# Altium PCB Dashcam_V2.0E.PcbDoc (part 2 of 8)
Units mil, origin at the board's own origin, x right, y up, seen from the top; angles counter-clockwise.
Board outline 3544.65 x 2560.37 mil, 8 copper layers (TOP, L2_GND, L3_IN1, L4_IN2, L5_PWR2, L6_PWR1, L7_GND_2, BOTTOM), stack 48.184 mil thick; 411 components, 365 nets, 2257 pads, 1045 vias.
Unrouted connection lines stored in the file: 2.
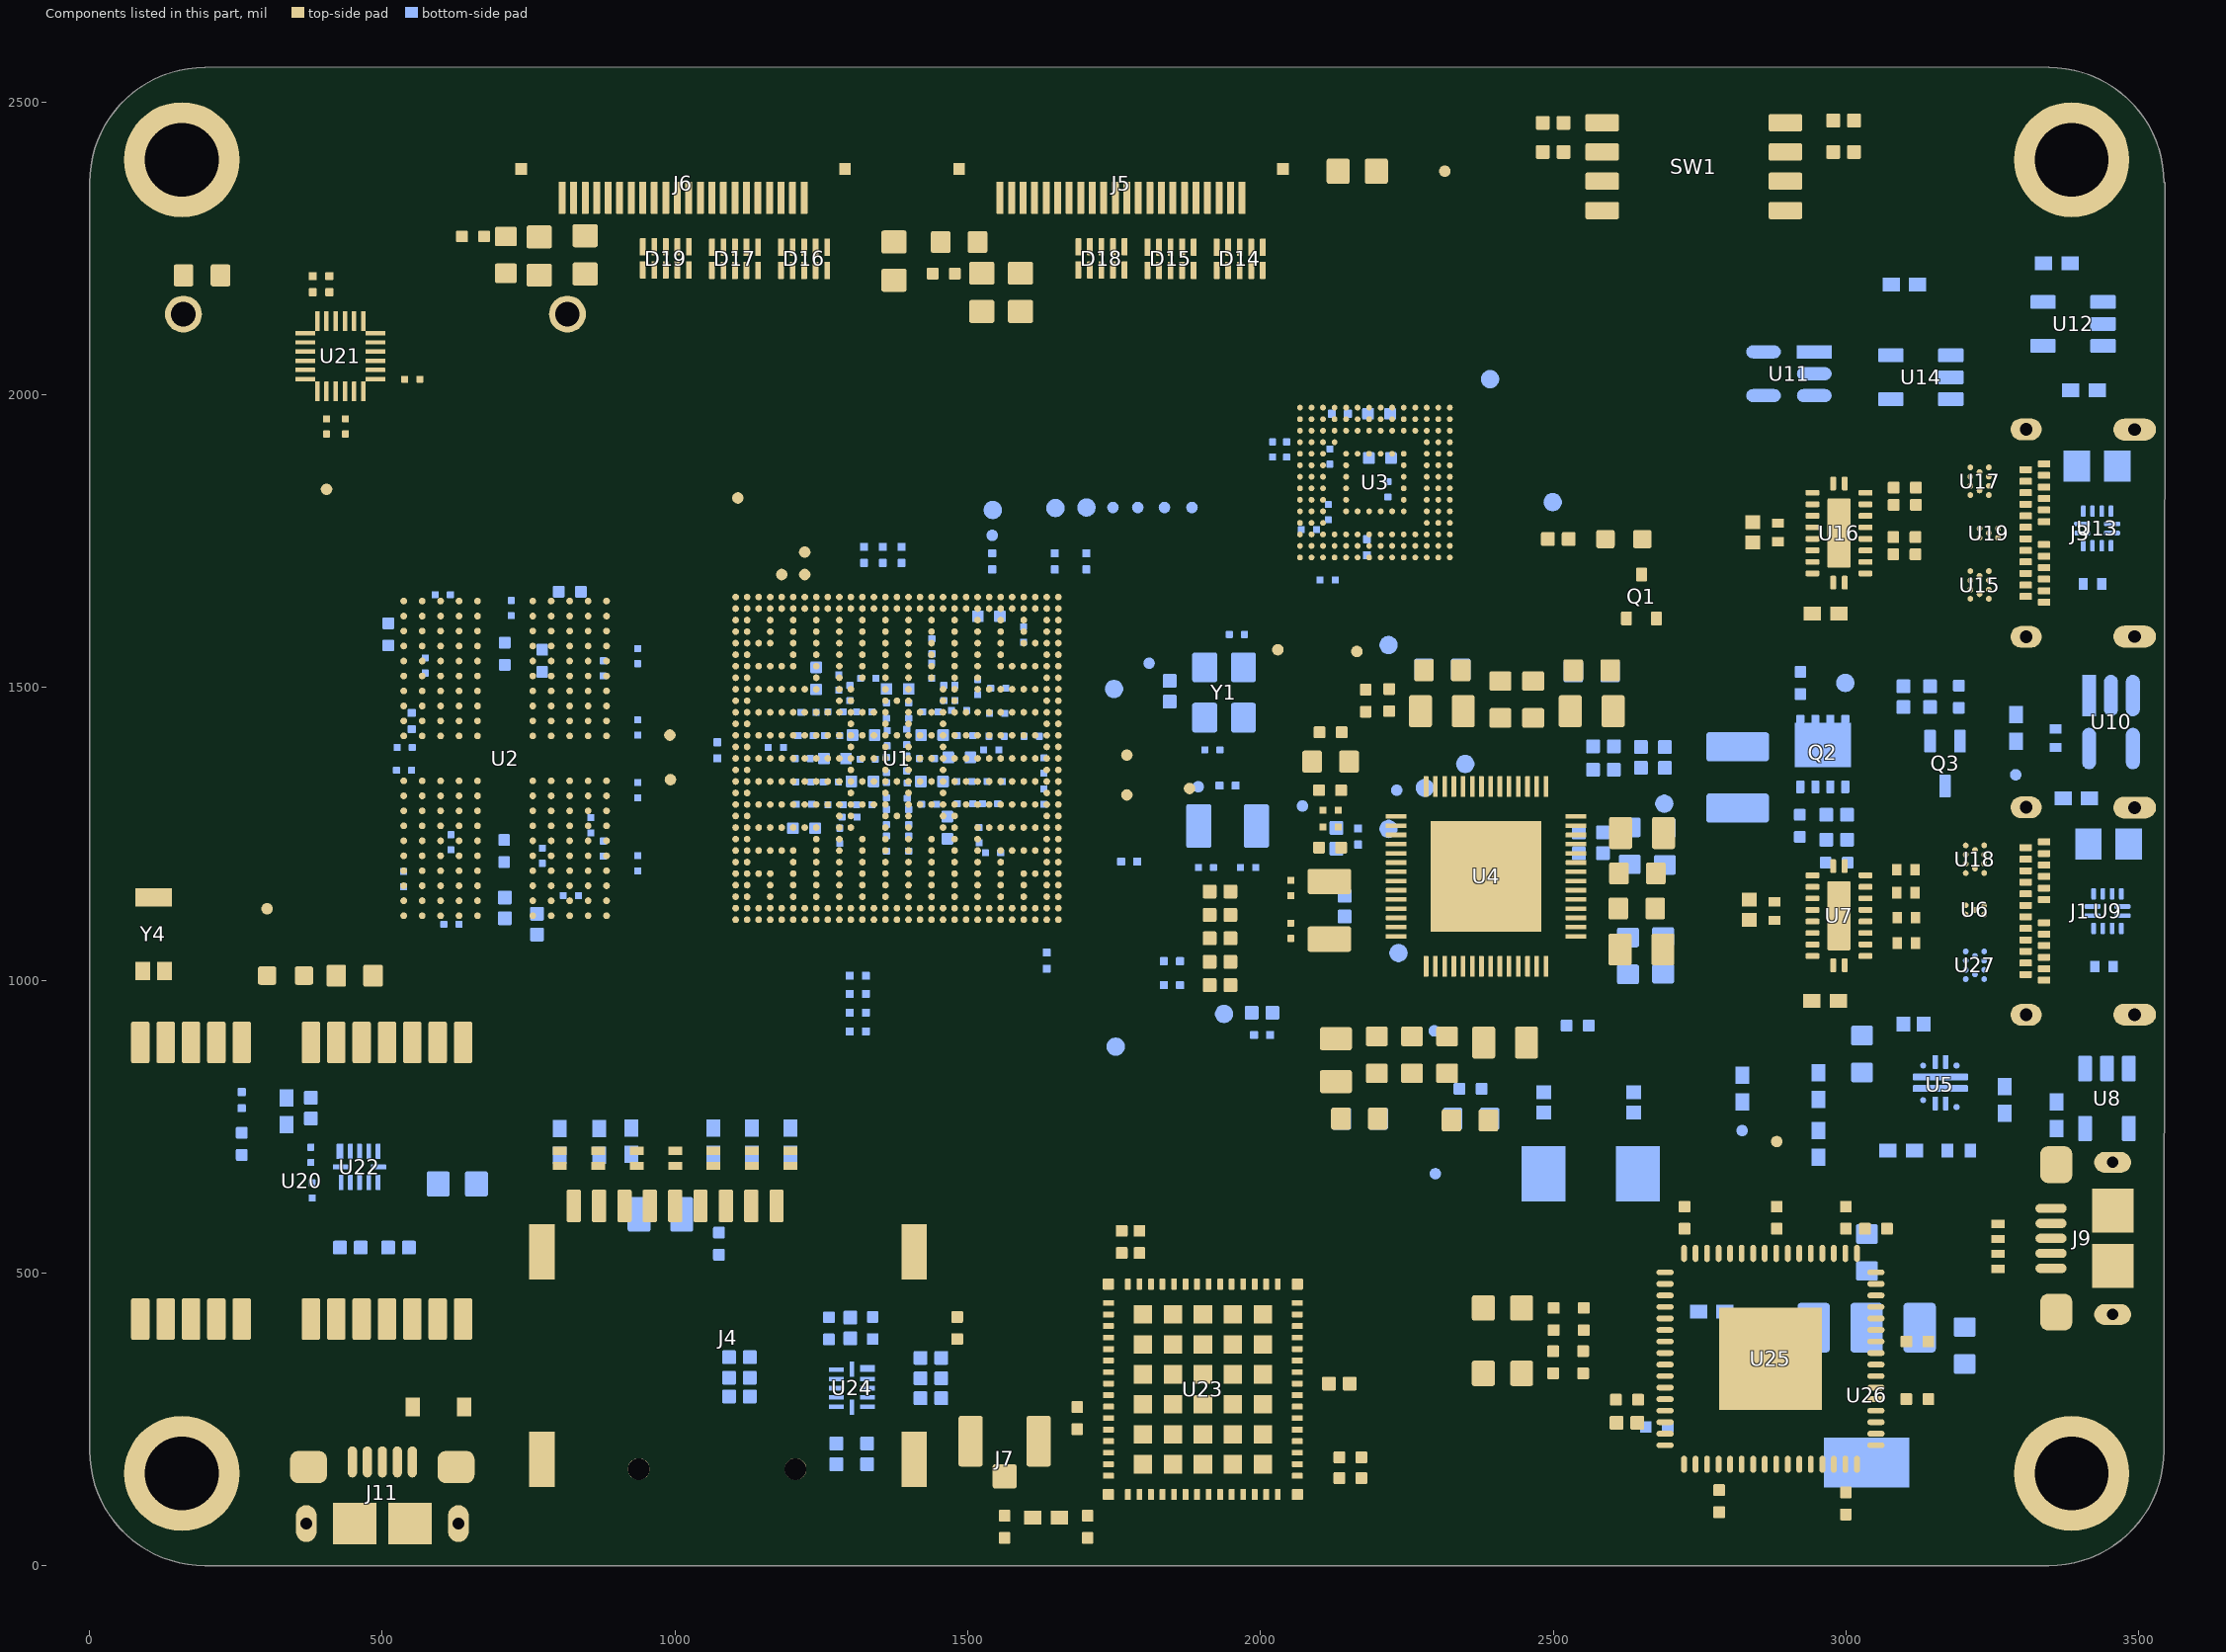
[diagram p8: the components of this part, seen from the top]

## Footprints (in the part's own frame and the unit in brackets; to place one, negate y for a bottom-side part, rotate by r counter-clockwise, add the part's x,y. Pads: shape width x height; smd on the part's side, far side on the other; paste and mask are expansions set on the pad) (continued)
CAP_1210_CAPC3225X270N [mm] "0.126\" L x 0.098\" W (3.20mm x 2.50mm)"
  rrect20% 1.26x2.72 smd: 1(-1.33,0) 2(1.33,0)
  silkscreen extent 0,-1.15 0,1.15, body extent -1.6,-1.25 1.6,1.25, height 2.7
CONN_FPC_AMPHENOL_SFV22R-2STBE1HLF [mm] "Pitch 0.5mm"
  rrect20% 0.3x1.4 smd mask+0.05: 1(-5.25,2.4) 2(-4.75,2.4) 3(-4.25,2.4) 4(-3.75,2.4) 5(-3.25,2.4) 6(-2.75,2.4) 7(-2.25,2.4) 8(-1.75,2.4) 9(-1.25,2.4) 10(-0.75,2.4) 11(-0.25,2.4) 12(0.25,2.4) 13(0.75,2.4) 14(1.25,2.4) 15(1.75,2.4) 16(2.25,2.4) 17(2.75,2.4) 18(3.25,2.4) 19(3.75,2.4) 20(4.25,2.4) 21(4.75,2.4) 22(5.25,2.4)
  rect 0.5x0.5 smd paste-1 mask+0: SH1(-7.025,1.15) SH2(7.025,1.15)
  TOP region: 7.65,1.8 8.35,1.8 8.35,0.7 6.95,0.7 6.95,0 5.7,0 5.7,2.3 7.65,2.3
  TOP region: -5.7,0 -6.95,0 -6.95,0.7 -8.35,0.7 -8.35,1.8 -7.65,1.8 -7.65,2.3 -5.7,2.3
  silkscreen extent -8.25,-2.1 8.25,3.35, body extent -8.25,-2.1 8.25,2.8, height 1.88
CONN_MICROSD_GCT_MEM2075-00-140-01-A [mm] "0.055\" (1.40mm)"
  rrect20% 0.62x1.4 smd: P1(2.105,5.71) P2(1.005,5.71) P3(-0.095,5.71) P4(-1.195,5.71) P5(-2.295,5.71) P6(-3.395,5.71) P7(-4.495,5.71) P8(-5.595,5.71) P9(-6.695,5.71)
  rect 1.1x2.4 smd: SH1(-8.075,-5.29) SH2(-8.075,3.71) SH3(8.075,3.71) SH4(8.075,-5.29)
  round 0.95 hole 0.95 unplated: ""(-3.875,-5.71) ""(2.925,-5.71)
  silkscreen extent -7.53,-9.94 7.52,6.68, body extent -8.2,-9.94 8.24,5.91, height 1.46
CONN_UFL_U.FL-R-SMT-1(10) [mm]
  rrect20% 1.05x1.05 smd: 1(0,1.525)
  rrect20% 1.05x2.2 smd: 2(1.475,0) 3(-1.475,0)
  silkscreen extent -1.3,-1.3 1.3,1.3, body extent -1.5,-1.5 1.5,1.6, height 1.25
CONN_USBC_AMPHENOL_12401945E212A [mm] "TYPE C 24P"
  rrect20% 0.3x0.53 smd: A1(-2.75,4.73) A2(-2.25,4.73) A3(-1.75,4.73) A4(-1.25,4.73) A5(-0.75,4.73) A6(-0.25,4.73) A7(0.25,4.73) A8(0.75,4.73) A9(1.25,4.73) A10(1.75,4.73) A11(2.25,4.73) A12(2.75,4.73) B1(3,3.93) B2(2.5,3.93) B3(2,3.93) B4(1.5,3.93) B5(1,3.93) B6(0.5,3.93) B7(-0.5,3.93) B8(-1,3.93) B9(-1.5,3.93) B10(-2,3.93) B11(-2.5,3.93) B12(-3,3.93)
  oval 0.95x1.85 hole 0.55 slot 1.45 at 90 deg: SH1(-4.49,0) SH2(4.49,0)
  oval 0.95x1.35 hole 0.55 slot 1 at 90 deg mask+0: SH3(-4.5,4.71) SH4(4.5,4.71)
  TOP region: 183 vertices and 0 holes, not listed, extent 3.37,3.935 4.975,5.485
  TOP region: 183 vertices and 0 holes, not listed, extent -4.975,3.935 -3.37,5.485
  BOTTOM region: 183 vertices and 0 holes, not listed, extent 3.37,3.935 4.975,5.485
  BOTTOM region: 183 vertices and 0 holes, not listed, extent -4.975,3.935 -3.37,5.485
  silkscreen extent -4.81,-1.72 4.81,5.77, body extent -4.81,-2.36 4.81,5.39, height 3.2
CRYSTAL_24MHz_OSCCC320X250X60 [mm] "0.126\" L x 0.098\" W (3.20mm x 2.50mm)"
  rrect20% 1.09x1.29 smd: 1(-0.84,1.09) 2(-0.84,-1.09) 3(0.84,-1.09) 4(0.84,1.09)
  silkscreen extent -1.4,-0.13 1.33,1.98, body extent -1.25,-1.6 1.25,1.6, height 0.61
CRYSTAL_ABS07-32.768KHZ-T [mm] "0.126\" L x 0.059\" W (3.20mm x 1.50mm)"
  rrect20% 1.1x1.9 smd: 1(-1.25,0) 2(1.25,0)
  silkscreen extent -0.38,-0.75 0.38,0.75, body extent -1.6,-0.75 1.6,0.75, height 0.89
DIO_TVS_SON50P100X250X50-10N [mm] "10-XFDFN"
  rrect20% 0.75x0.25 smd: 1(-0.5,1) 2(-0.5,0.5) 3(-0.5,0) 4(-0.5,-0.5) 5(-0.5,-1) 6(0.5,-1) 7(0.5,-0.5) 8(0.5,0) 9(0.5,0.5) 10(0.5,1)
  silkscreen extent -1.12,0.81 -1.12,1.22, body extent -0.55,-1.25 0.55,1.25, height 0.5
ESD_PCMF2USB3SZ [mm]
  round 0.25 smd: A1(-0.6,0.4) A2(-0.2,0.4) A3(0.2,0.4) A4(0.6,0.4) B1(-0.4,0) B2(0.4,0) C1(-0.6,-0.4) C2(-0.2,-0.4) C3(0.2,-0.4) C4(0.6,-0.4)
  body extent -0.78,-0.59 0.78,0.59, height 0.7
ESD_PESD1USB3BCX [mm]
  round 0.25 smd: A1(-0.2,0.4) A2(0.2,0.4) B1(0,0) C1(-0.2,-0.4) C2(0.2,-0.4)
  silkscreen extent -0.4,-0.2 0.39,0.74, body extent -0.39,-0.59 0.39,0.59, height 0.57
"FCI USB 10118193-0001LF" [mm] "USB 2.0 Type B Micro"
  oval 0.4x1.35 smd: 1(1.3,-2.625) 2(0.65,-2.625) 3(0,-2.625) 4(-0.65,-2.625) 5(-1.3,-2.625)
  oval 0.9x1.6 hole 0.5 slot 1.2 at 90 deg: S(-3.3,0.05) S(3.3,0.05)
  rrect50% 1.6x1.4 smd: S(-3.2,-2.4) S(3.2,-2.4)
  rect 1.9x1.8 smd: S(-1.2,0.05) S(1.2,0.05)
  silkscreen extent -3.7,-2.8 3.7,2.8, body extent -3.93,-2.9 3.93,2.76, height 2.78
FP-ABM3-MFG [mm]
  rect 1.9x2.4 smd paste+0 mask+0: 1(-2.05,0) 2(2.05,0)
  silkscreen extent -2.6,-1.7 2.6,1.7, body extent -2.5,-1.6 2.5,1.6, height 1.3
FP-DBV0005A-IPC_A [mm]
  rect 1.805x0.612 smd paste+0 mask+0: 1(-1.15,0.95)
  rrect100% 1.805x0.612 smd paste+0 mask+0: 2(-1.15,0) 3(-1.15,-0.95) 4(1.15,-0.95) 5(1.15,0.95)
  silkscreen extent -3.03,-1.7 1.4,1.7, body extent -1.4,-1.45 1.4,1.45, height 1.45
FP-DBV0005A-IPC_B [mm]
  rect 1.505x0.572 smd paste+0 mask+0: 1(-1.1,0.95)
  rrect100% 1.505x0.572 smd paste+0 mask+0: 2(-1.1,0) 3(-1.1,-0.95) 4(1.1,-0.95) 5(1.1,0.95)
  silkscreen extent -2.65,-1.7 1.4,1.7, body extent -1.4,-1.45 1.4,1.45, height 1.45
FP-DBV0005A-MFG [mm]
  rrect17% 1.1x0.6 smd paste+0 mask+0: 1(-1.3,0.95) 2(-1.3,0) 3(-1.3,-0.95) 4(1.3,-0.95) 5(1.3,0.95)
  silkscreen extent -2.57,-1.53 0.87,1.53, body extent -1.4,-1.45 1.4,1.45, height 1.45
FP-FT2232HQ-Reel-MFG [mm]
  rrect100% 0.75x0.25 smd paste+0 mask+0: 1(-4.575,3.75) 2(-4.575,3.25) 3(-4.575,2.75) 4(-4.575,2.25) 5(-4.575,1.75) 6(-4.575,1.25) 7(-4.575,0.75) 8(-4.575,0.25) 9(-4.575,-0.25) 10(-4.575,-0.75) 11(-4.575,-1.25) 12(-4.575,-1.75) 13(-4.575,-2.25) 14(-4.575,-2.75) 15(-4.575,-3.25) 16(-4.575,-3.75) 33(4.575,-3.75) 34(4.575,-3.25) 35(4.575,-2.75) 36(4.575,-2.25) 37(4.575,-1.75) 38(4.575,-1.25) 39(4.575,-0.75) 40(4.575,-0.25) 41(4.575,0.25) 42(4.575,0.75) 43(4.575,1.25) 44(4.575,1.75) 45(4.575,2.25) 46(4.575,2.75) 47(4.575,3.25) 48(4.575,3.75)
  rrect100% 0.25x0.75 smd paste+0 mask+0: 17(-3.75,-4.575) 18(-3.25,-4.575) 19(-2.75,-4.575) 20(-2.25,-4.575) 21(-1.75,-4.575) 22(-1.25,-4.575) 23(-0.75,-4.575) 24(-0.25,-4.575) 25(0.25,-4.575) 26(0.75,-4.575) 27(1.25,-4.575) 28(1.75,-4.575) 29(2.25,-4.575) 30(2.75,-4.575) 31(3.25,-4.575) 32(3.75,-4.575) 49(3.75,4.575) 50(3.25,4.575) 51(2.75,4.575) 52(2.25,4.575) 53(1.75,4.575) 54(1.25,4.575) 55(0.75,4.575) 56(0.25,4.575) 57(-0.25,4.575) 58(-0.75,4.575) 59(-1.25,4.575) 60(-1.75,4.575) 61(-2.25,4.575) 62(-2.75,4.575) 63(-3.25,4.575) 64(-3.75,4.575)
  rect 4.45x4.45 smd paste+0 mask+0: 65(0,0)
  silkscreen extent -5.65,-4.5 4.5,4.5, body extent -5.05,-5.05 5.05,5.05, height 0.25
FP-RKS0020A-MFG [mm]
  rrect40% 0.25x0.6 smd paste+0 mask+0: 1(-0.25,2.15) 10(-0.25,-2.15) 11(0.25,-2.15) 20(0.25,2.15)
  rrect40% 0.6x0.25 smd paste+0 mask+0: 2(-1.15,1.75) 3(-1.15,1.25) 4(-1.15,0.75) 5(-1.15,0.25) 6(-1.15,-0.25) 7(-1.15,-0.75) 8(-1.15,-1.25) 9(-1.15,-1.75) 12(1.15,-1.75) 13(1.15,-1.25) 14(1.15,-0.75) 15(1.15,-0.25) 16(1.15,0.25) 17(1.15,0.75) 18(1.15,1.25) 19(1.15,1.75)
  rrect10% 1x3 smd paste-1000 mask+0: 21(0,0)
  silkscreen extent -1.3,-2.3 1.3,3.1, body extent -1.25,-2.25 1.25,2.25, height 1
FP-RPW0010A-MFG [mm]
  round 0.27 smd paste-1000 mask+0: 1(-1.05,0.7) 10(0.75,0.7)
  rrect40% 0.6x0.25 smd paste+0 mask+0: 2(-0.9,0.225) 3(-0.9,-0.225) 8(0.9,-0.225) 9(0.9,0.225)
  round 0.255 smd paste-1000 mask+0: 4(-0.75,-0.75) 7(0.75,-0.75)
  rrect33% 0.3x2.4 smd paste-1000 mask+0: 5(-0.25,0) 6(0.25,0)
  TOP region: -0.85,0.85 -0.85,1.15 -0.843,1.175 -0.825,1.193 -0.8,1.2 -0.8,1.2 -0.65,1.2 -0.631,1.196 -0.615,1.185 -0.604,1.169 -0.6,1.15 -0.6,1.15 -0.6,0.6 -0.604,0.581 -0.615,0.565 -0.631,0.554 -0.65,0.55 -0.65,0.55 -1.15,0.55 -1.169,0.554 -1.185,0.565 -1.196,0.581 -1.2,0.6 -1.2,0.6 -1.2,0.8 -1.193,0.825 -1.175,0.843 -1.15,0.85 -1.15,0.85
  TOP region: -0.85,-0.85 -0.85,-1.15 -0.846,-1.169 -0.835,-1.185 -0.819,-1.196 -0.8,-1.2 -0.8,-1.2 -0.65,-1.2 -0.631,-1.196 -0.615,-1.185 -0.604,-1.169 -0.6,-1.15 -0.6,-1.15 -0.6,-0.6 -0.604,-0.581 -0.615,-0.565 -0.631,-0.554 -0.65,-0.55 -0.65,-0.55 -1.15,-0.55 -1.169,-0.554 -1.185,-0.565 -1.196,-0.581 -1.2,-0.6 -1.2,-0.6 -1.2,-0.8 -1.196,-0.819 -1.185,-0.835 -1.169,-0.846 -1.15,-0.85 -1.15,-0.85
  TOP region: 0.85,-0.85 0.85,-1.15 0.846,-1.169 0.835,-1.185 0.819,-1.196 0.8,-1.2 0.8,-1.2 0.65,-1.2 0.631,-1.196 0.615,-1.185 0.604,-1.169 0.6,-1.15 0.6,-1.15 0.6,-0.6 0.604,-0.581 0.615,-0.565 0.631,-0.554 0.65,-0.55 0.65,-0.55 1.15,-0.55 1.169,-0.554 1.185,-0.565 1.196,-0.581 1.2,-0.6 1.2,-0.6 1.2,-0.8 1.196,-0.819 1.185,-0.835 1.169,-0.846 1.15,-0.85 1.15,-0.85
  TOP region: 0.85,0.85 0.85,1.15 0.846,1.169 0.835,1.185 0.819,1.196 0.8,1.2 0.8,1.2 0.65,1.2 0.631,1.196 0.615,1.185 0.604,1.169 0.6,1.15 0.6,1.15 0.6,0.6 0.604,0.581 0.615,0.565 0.631,0.554 0.65,0.55 0.65,0.55 1.15,0.55 1.169,0.554 1.185,0.565 1.196,0.581 1.2,0.6 1.2,0.6 1.2,0.8 1.196,0.819 1.185,0.835 1.169,0.846 1.15,0.85 1.15,0.85
  silkscreen extent -1.87,-1.58 1.05,1.58, body extent -1,-1 1,1, height 1
FP-RWB0012A-MFG [mm]
  rrect50% 0.7x0.2 smd paste-1000 mask+0: 1(-0.65,0.2) 2(-0.65,-0.2) 7(0.65,-0.2) 8(0.65,0.2)
  rrect50% 0.2x0.5 smd paste+0 mask+0: 3(-0.6,-0.75) 4(-0.2,-0.75) 5(0.2,-0.75) 6(0.6,-0.75) 9(0.6,0.75) 10(0.2,0.75) 11(-0.2,0.75) 12(-0.6,0.75)
  silkscreen extent -1.67,-1.38 0.8,1.38, body extent -0.8,-0.8 0.8,0.8, height 0.4
FP-SESD0402-MFG [mm]
  rect 0.35x0.6 smd paste+0 mask+0: 1(-0.325,0) 2(0.325,0)
  silkscreen extent -0.53,-0.71 0.53,0.7, body extent -0.63,-0.43 0.63,0.43, height 0.25
FP-W3011A-MFG [mm]
  rect 0.8x0.65 smd paste-1000 mask+0: 1(1.6,0.475) 2(1.6,-0.475)
  rect 0.8x1.6 smd paste-1000 mask+0: 3(-1.6,0)
  silkscreen extent -0.82,-0.9 2.7,0.9, body extent -2.1,-1 2.1,1, height 0.25
IC_DRAM_BGA200_0P65X0P8_10P1X14P6 [mil] "200-TFBGA (10x14.5)"
  round 11.5 smd: A1(-173.23,268.7) A2(-141.73,268.7) A3(-110.24,268.7) A4(-78.74,268.7) A5(-47.24,268.7) A8(47.24,268.7) A9(78.74,268.7) A10(110.24,268.7) A11(141.73,268.7) A12(173.23,268.7) AA1(-173.23,-243.11) AA2(-141.73,-243.11) AA3(-110.24,-243.11) AA4(-78.74,-243.11) AA5(-47.24,-243.11) AA8(47.24,-243.11) AA9(78.74,-243.11) AA10(110.24,-243.11) AA11(141.73,-243.11) AA12(173.23,-243.11) AB1(-173.23,-268.7) AB2(-141.73,-268.7) AB3(-110.24,-268.7) AB4(-78.74,-268.7) AB5(-47.24,-268.7) AB8(47.24,-268.7) AB9(78.74,-268.7) AB10(110.24,-268.7) AB11(141.73,-268.7) AB12(173.23,-268.7) B1(-173.23,243.11) B2(-141.73,243.11) B3(-110.24,243.11) B4(-78.74,243.11) B5(-47.24,243.11) B8(47.24,243.11) B9(78.74,243.11) B10(110.24,243.11) B11(141.73,243.11) B12(173.23,243.11) C1(-173.23,217.52) C2(-141.73,217.52) C3(-110.24,217.52) C4(-78.74,217.52) C5(-47.24,217.52) C8(47.24,217.52) C9(78.74,217.52) C10(110.24,217.52) C11(141.73,217.52) C12(173.23,217.52) D1(-173.23,191.93) D2(-141.73,191.93) D3(-110.24,191.93) D4(-78.74,191.93) D5(-47.24,191.93) D8(47.24,191.93) D9(78.74,191.93) D10(110.24,191.93) D11(141.73,191.93) D12(173.23,191.93) E1(-173.23,166.34) E2(-141.73,166.34) E3(-110.24,166.34) E4(-78.74,166.34) E5(-47.24,166.34) E8(47.24,166.34) E9(78.74,166.34) E10(110.24,166.34) E11(141.73,166.34) E12(173.23,166.34) F1(-173.23,140.75) F2(-141.73,140.75) F3(-110.24,140.75) F4(-78.74,140.75) F5(-47.24,140.75) F8(47.24,140.75) F9(78.74,140.75) F10(110.24,140.75) F11(141.73,140.75) F12(173.23,140.75) G1(-173.23,115.16) G2(-141.73,115.16) G3(-110.24,115.16) G4(-78.74,115.16) G5(-47.24,115.16) G8(47.24,115.16) G9(78.74,115.16) G10(110.24,115.16) G11(141.73,115.16) G12(173.23,115.16) H1(-173.23,89.57) H2(-141.73,89.57) H3(-110.24,89.57) H4(-78.74,89.57) H5(-47.24,89.57) H8(47.24,89.57) H9(78.74,89.57) H10(110.24,89.57) H11(141.73,89.57) H12(173.23,89.57) J1(-173.23,63.98) J2(-141.73,63.98) J3(-110.24,63.98) J4(-78.74,63.98) J5(-47.24,63.98) J8(47.24,63.98) J9(78.74,63.98) J10(110.24,63.98) J11(141.73,63.98) J12(173.23,63.98) K1(-173.23,38.39) K2(-141.73,38.39) K3(-110.24,38.39) K4(-78.74,38.39) K5(-47.24,38.39) K8(47.24,38.39) K9(78.74,38.39) K10(110.24,38.39) K11(141.73,38.39) K12(173.23,38.39) N1(-173.23,-38.39) N2(-141.73,-38.39) N3(-110.24,-38.39) N4(-78.74,-38.39) N5(-47.24,-38.39) N8(47.24,-38.39) N9(78.74,-38.39) N10(110.24,-38.39) N11(141.73,-38.39) N12(173.23,-38.39) P1(-173.23,-63.98) P2(-141.73,-63.98) P3(-110.24,-63.98) P4(-78.74,-63.98) P5(-47.24,-63.98) P8(47.24,-63.98) P9(78.74,-63.98) P10(110.24,-63.98) P11(141.73,-63.98) P12(173.23,-63.98) R1(-173.23,-89.57) R2(-141.73,-89.57) R3(-110.24,-89.57) R4(-78.74,-89.57) R5(-47.24,-89.57) R8(47.24,-89.57) R9(78.74,-89.57) R10(110.24,-89.57) R11(141.73,-89.57) R12(173.23,-89.57) T1(-173.23,-115.16) T2(-141.73,-115.16) T3(-110.24,-115.16) T4(-78.74,-115.16) T5(-47.24,-115.16) T8(47.24,-115.16) T9(78.74,-115.16) T10(110.24,-115.16) T11(141.73,-115.16) T12(173.23,-115.16) U1(-173.23,-140.75) U2(-141.73,-140.75) U3(-110.24,-140.75) U4(-78.74,-140.75) U5(-47.24,-140.75) U8(47.24,-140.75) U9(78.74,-140.75) U10(110.24,-140.75) U11(141.73,-140.75) U12(173.23,-140.75) V1(-173.23,-166.34) V2(-141.73,-166.34) V3(-110.24,-166.34) V4(-78.74,-166.34) V5(-47.24,-166.34) V8(47.24,-166.34) V9(78.74,-166.34) V10(110.24,-166.34) V11(141.73,-166.34) V12(173.23,-166.34) W1(-173.23,-191.93) W2(-141.73,-191.93) W3(-110.24,-191.93) W4(-78.74,-191.93) W5(-47.24,-191.93) W8(47.24,-191.93) W9(78.74,-191.93) W10(110.24,-191.93) W11(141.73,-191.93) W12(173.23,-191.93) Y1(-173.23,-217.52) Y2(-141.73,-217.52) Y3(-110.24,-217.52) Y4(-78.74,-217.52) Y5(-47.24,-217.52) Y8(47.24,-217.52) Y9(78.74,-217.52) Y10(110.24,-217.52) Y11(141.73,-217.52) Y12(173.23,-217.52)
  silkscreen extent -244,-294 206,331, body extent -199,-292 199,282, height 37
IC_IMU_TDK_InvenSense_0_IPC_A [mm] "QFN 3.0x3.0x0.9"
  rrect20% 0.861x0.192 smd: 1(-1.526,1) 2(-1.526,0.6) 3(-1.526,0.2) 4(-1.526,-0.2) 5(-1.526,-0.6) 6(-1.526,-1) 13(1.526,-1) 14(1.526,-0.6) 15(1.526,-0.2) 16(1.526,0.2) 17(1.526,0.6) 18(1.526,1)
  rrect20% 0.192x0.861 smd: 7(-1,-1.526) 8(-0.6,-1.526) 9(-0.2,-1.526) 10(0.2,-1.526) 11(0.6,-1.526) 12(1,-1.526) 19(1,1.526) 20(0.6,1.526) 21(0.2,1.526) 22(-0.2,1.526) 23(-0.6,1.526) 24(-1,1.526)
  silkscreen extent -1.85,-1.63 1.63,1.85, body extent -2.46,-2.46 2.46,2.46, height 0.25
IC_LEVEL_TRASLATOR_XQFN12_0P4_1P8X2P1 [mil] "XQFN12_0P4_1P8X2P1"
  rrect20% 26x12 smd: 1(-26.57,32.97)
  rrect20% 26x8 smd: 2(-26.57,15.26) 3(-26.57,-0.49) 4(-26.57,-16.24) 5(-26.57,-31.99) 7(26.57,-31.99) 8(26.57,-16.24) 9(26.57,-0.49) 10(26.57,15.26) 11(26.57,31.01)
  rrect20% 8x26 smd: 6(0,-32.97) 12(0,31.99)
  silkscreen extent -54,-56 49,59, body extent -36,-41 36,41, height 20
IC_MEMORY_eMMC [mil] "FBGA153_0P5_11P5X13"
  round 10 smd: A1(-127.95,127.95) A2(-108.27,127.95) A3(-88.58,127.95) A4(-68.9,127.95) A5(-49.21,127.95) A6(-29.53,127.95) A7(-9.84,127.95) A8(9.84,127.95) A9(29.53,127.95) A10(49.21,127.95) A11(68.9,127.95) A12(88.58,127.95) A13(108.27,127.95) A14(127.95,127.95) B1(-127.95,108.27) B2(-108.27,108.27) B3(-88.58,108.27) B4(-68.9,108.27) B5(-49.21,108.27) B6(-29.53,108.27) B7(-9.84,108.27) B8(9.84,108.27) B9(29.53,108.27) B10(49.21,108.27) B11(68.9,108.27) B12(88.58,108.27) B13(108.27,108.27) B14(127.95,108.27) C1(-127.95,88.58) C2(-108.27,88.58) C3(-88.58,88.58) C4(-68.9,88.58) C5(-49.21,88.58) C6(-29.53,88.58) C7(-9.84,88.58) C8(9.84,88.58) C9(29.53,88.58) C10(49.21,88.58) C11(68.9,88.58) C12(88.58,88.58) C13(108.27,88.58) C14(127.95,88.58) D1(-127.95,68.9) D2(-108.27,68.9) D3(-88.58,68.9) D4(-68.9,68.9) D12(88.58,68.9) D13(108.27,68.9) D14(127.95,68.9) E1(-127.95,49.21) E2(-108.27,49.21) E3(-88.58,49.21) E5(-49.21,49.21) E6(-29.53,49.21) E7(-9.84,49.21) E8(9.84,49.21) E9(29.53,49.21) E10(49.21,49.21) E12(88.58,49.21) E13(108.27,49.21) E14(127.95,49.21) F1(-127.95,29.53) F2(-108.27,29.53) F3(-88.58,29.53) F5(-49.21,29.53) F10(49.21,29.53) F12(88.58,29.53) F13(108.27,29.53) F14(127.95,29.53) G1(-127.95,9.84) G2(-108.27,9.84) G3(-88.58,9.84) G5(-49.21,9.84) G10(49.21,9.84) G12(88.58,9.84) G13(108.27,9.84) G14(127.95,9.84) H1(-127.95,-9.84) H2(-108.27,-9.84) H3(-88.58,-9.84) H5(-49.21,-9.84) H10(49.21,-9.84) H12(88.58,-9.84) H13(108.27,-9.84) H14(127.95,-9.84) J1(-127.95,-29.53) J2(-108.27,-29.53) J3(-88.58,-29.53) J5(-49.21,-29.53) J10(49.21,-29.53) J12(88.58,-29.53) J13(108.27,-29.53) J14(127.95,-29.53) K1(-127.95,-49.21) K2(-108.27,-49.21) K3(-88.58,-49.21) K5(-49.21,-49.21) K6(-29.53,-49.21) K7(-9.84,-49.21) K8(9.84,-49.21) K9(29.53,-49.21) K10(49.21,-49.21) K12(88.58,-49.21) K13(108.27,-49.21) K14(127.95,-49.21) L1(-127.95,-68.9) L2(-108.27,-68.9) L3(-88.58,-68.9) L12(88.58,-68.9) L13(108.27,-68.9) L14(127.95,-68.9) M1(-127.95,-88.58) M2(-108.27,-88.58) M3(-88.58,-88.58) M4(-68.9,-88.58) M5(-49.21,-88.58) M6(-29.53,-88.58) M7(-9.84,-88.58) M8(9.84,-88.58) M9(29.53,-88.58) M10(49.21,-88.58) M11(68.9,-88.58) M12(88.58,-88.58) M13(108.27,-88.58) M14(127.95,-88.58) N1(-127.95,-108.27) N2(-108.27,-108.27) N3(-88.58,-108.27) N4(-68.9,-108.27) N5(-49.21,-108.27) N6(-29.53,-108.27) N7(-9.84,-108.27) N8(9.84,-108.27) N9(29.53,-108.27) N10(49.21,-108.27) N11(68.9,-108.27) N12(88.58,-108.27) N13(108.27,-108.27) N14(127.95,-108.27) P1(-127.95,-127.95) P2(-108.27,-127.95) P3(-88.58,-127.95) P4(-68.9,-127.95) P5(-49.21,-127.95) P6(-29.53,-127.95) P7(-9.84,-127.95) P8(9.84,-127.95) P9(29.53,-127.95) P10(49.21,-127.95) P11(68.9,-127.95) P12(88.58,-127.95) P13(108.27,-127.95) P14(127.95,-127.95)
  silkscreen extent -267,-265 235,295, body extent -226,-256 226,256, height 29
IC_MODULE_UBLOX_NEOM9N00B [mm]
  rrect20% 1.8x0.8 smd: 1(6,-7) 2(6,-5.9) 3(6,-4.8) 4(6,-3.7) 5(6,-2.6) 6(6,-1.5) 7(6,-0.4) 8(6,2.6) 9(6,3.7) 10(6,4.8) 11(6,5.9) 12(6,7) 13(-6,7) 14(-6,5.9) 15(-6,4.8) 16(-6,3.7) 17(-6,2.6) 18(-6,-0.4) 19(-6,-1.5) 20(-6,-2.6) 21(-6,-3.7) 22(-6,-4.8) 23(-6,-5.9) 24(-6,-7)
  silkscreen extent -6.1,-8 7.5,8, body extent -6.1,-8 6.1,8, height 2.6
IC_MPU_BGA548C50P29X29_1500X1500X148 [mm] "15 X 15 MM BGA"
  round 0.29 smd: A1(-7,7) A2(-6.5,7) A3(-6,7) A4(-5.5,7) A5(-5,7) A6(-4.5,7) A7(-4,7) A8(-3.5,7) A9(-3,7) A10(-2.5,7) A11(-2,7) A12(-1.5,7) A13(-1,7) A14(-0.5,7) A15(0,7) A16(0.5,7) A17(1,7) A18(1.5,7) A19(2,7) A20(2.5,7) A21(3,7) A22(3.5,7) A23(4,7) A24(4.5,7) A25(5,7) A26(5.5,7) A27(6,7) A28(6.5,7) A29(7,7) AA1(-7,-3) AA2(-6.5,-3) AA3(-6,-3) AA4(-5.5,-3) AA5(-5,-3) AA6(-4.5,-3) AA7(-4,-3) AA8(-3.5,-3) AA10(-2.5,-3) AA11(-2,-3) AA14(-0.5,-3) AA16(0.5,-3) AA19(2,-3) AA20(2.5,-3) AA22(3.5,-3) AA23(4,-3) AA24(4.5,-3) AA25(5,-3) AA26(5.5,-3) AA27(6,-3) AA28(6.5,-3) AA29(7,-3) AB1(-7,-3.5) AB2(-6.5,-3.5) AB8(-3.5,-3.5) AB10(-2.5,-3.5) AB12(-1.5,-3.5) AB14(-0.5,-3.5) AB16(0.5,-3.5) AB18(1.5,-3.5) AB20(2.5,-3.5) AB22(3.5,-3.5) AB28(6.5,-3.5) AB29(7,-3.5) AC1(-7,-4) AC2(-6.5,-4) AC3(-6,-4) AC4(-5.5,-4) AC5(-5,-4) AC6(-4.5,-4) AC8(-3.5,-4) AC10(-2.5,-4) AC12(-1.5,-4) AC14(-0.5,-4) AC16(0.5,-4) AC18(1.5,-4) AC20(2.5,-4) AC22(3.5,-4) AC24(4.5,-4) AC25(5,-4) AC26(5.5,-4) AC27(6,-4) AC28(6.5,-4) AC29(7,-4) AD1(-7,-4.5) AD2(-6.5,-4.5) AD6(-4.5,-4.5) AD8(-3.5,-4.5) AD10(-2.5,-4.5) AD12(-1.5,-4.5) AD14(-0.5,-4.5) AD16(0.5,-4.5) AD18(1.5,-4.5) AD20(2.5,-4.5) AD22(3.5,-4.5) AD24(4.5,-4.5) AD28(6.5,-4.5) AD29(7,-4.5) AE1(-7,-5) AE2(-6.5,-5) AE3(-6,-5) AE4(-5.5,-5) AE6(-4.5,-5) AE8(-3.5,-5) AE10(-2.5,-5) AE12(-1.5,-5) AE14(-0.5,-5) AE16(0.5,-5) AE18(1.5,-5) AE20(2.5,-5) AE22(3.5,-5) AE24(4.5,-5) AE26(5.5,-5) AE27(6,-5) AE28(6.5,-5) AE29(7,-5) AF1(-7,-5.5) AF2(-6.5,-5.5) AF4(-5.5,-5.5) AF6(-4.5,-5.5) AF8(-3.5,-5.5) AF10(-2.5,-5.5) AF12(-1.5,-5.5) AF14(-0.5,-5.5) AF16(0.5,-5.5) AF18(1.5,-5.5) AF20(2.5,-5.5) AF22(3.5,-5.5) AF24(4.5,-5.5) AF26(5.5,-5.5) AF28(6.5,-5.5) AF29(7,-5.5) AG1(-7,-6) AG2(-6.5,-6) AG4(-5.5,-6) AG6(-4.5,-6) AG8(-3.5,-6) AG10(-2.5,-6) AG12(-1.5,-6) AG14(-0.5,-6) AG16(0.5,-6) AG18(1.5,-6) AG20(2.5,-6) AG22(3.5,-6) AG24(4.5,-6) AG26(5.5,-6) AG28(6.5,-6) AG29(7,-6) AH1(-7,-6.5) AH2(-6.5,-6.5) AH3(-6,-6.5) AH4(-5.5,-6.5) AH5(-5,-6.5) AH6(-4.5,-6.5) AH7(-4,-6.5) AH8(-3.5,-6.5) AH9(-3,-6.5) AH10(-2.5,-6.5) AH11(-2,-6.5) AH12(-1.5,-6.5) AH13(-1,-6.5) AH14(-0.5,-6.5) AH15(0,-6.5) AH16(0.5,-6.5) AH17(1,-6.5) AH18(1.5,-6.5) AH19(2,-6.5) AH20(2.5,-6.5) AH21(3,-6.5) AH22(3.5,-6.5) AH23(4,-6.5) AH24(4.5,-6.5) AH25(5,-6.5) AH26(5.5,-6.5) AH27(6,-6.5) AH28(6.5,-6.5) AH29(7,-6.5) AJ1(-7,-7) AJ2(-6.5,-7) AJ3(-6,-7) AJ4(-5.5,-7) AJ5(-5,-7) AJ6(-4.5,-7) AJ7(-4,-7) AJ8(-3.5,-7) AJ9(-3,-7) AJ10(-2.5,-7) AJ11(-2,-7) AJ12(-1.5,-7) AJ13(-1,-7) AJ14(-0.5,-7) AJ15(0,-7) AJ16(0.5,-7) AJ17(1,-7) AJ18(1.5,-7) AJ19(2,-7) AJ20(2.5,-7) AJ21(3,-7) AJ22(3.5,-7) AJ23(4,-7) AJ24(4.5,-7) AJ25(5,-7) AJ26(5.5,-7) AJ27(6,-7) AJ28(6.5,-7) AJ29(7,-7) B1(-7,6.5) B2(-6.5,6.5) B3(-6,6.5) B4(-5.5,6.5) B5(-5,6.5) B6(-4.5,6.5) B7(-4,6.5) B8(-3.5,6.5) B9(-3,6.5) B10(-2.5,6.5) B11(-2,6.5) B12(-1.5,6.5) B13(-1,6.5) B14(-0.5,6.5) B15(0,6.5) B16(0.5,6.5) B17(1,6.5) B18(1.5,6.5) B19(2,6.5) B20(2.5,6.5) B21(3,6.5) B22(3.5,6.5) B23(4,6.5) B24(4.5,6.5) B25(5,6.5) B26(5.5,6.5) B27(6,6.5) B28(6.5,6.5) B29(7,6.5) C1(-7,6) C2(-6.5,6) C4(-5.5,6) C6(-4.5,6) C8(-3.5,6) C10(-2.5,6) C12(-1.5,6) C14(-0.5,6) C16(0.5,6) C18(1.5,6) C20(2.5,6) C22(3.5,6) C24(4.5,6) C26(5.5,6) C28(6.5,6) C29(7,6) D1(-7,5.5) D2(-6.5,5.5) D4(-5.5,5.5) D6(-4.5,5.5) D8(-3.5,5.5) D10(-2.5,5.5) D12(-1.5,5.5) D14(-0.5,5.5) D16(0.5,5.5) D18(1.5,5.5) D20(2.5,5.5) D22(3.5,5.5) D24(4.5,5.5) D26(5.5,5.5) D28(6.5,5.5) D29(7,5.5) E1(-7,5) E2(-6.5,5) E3(-6,5) E4(-5.5,5) E6(-4.5,5) E8(-3.5,5) E10(-2.5,5) E12(-1.5,5) E14(-0.5,5) E16(0.5,5) E18(1.5,5) E20(2.5,5) E22(3.5,5) E24(4.5,5) E26(5.5,5) E27(6,5) E28(6.5,5) E29(7,5) F1(-7,4.5) F2(-6.5,4.5) F6(-4.5,4.5) F8(-3.5,4.5) F10(-2.5,4.5) F12(-1.5,4.5) F14(-0.5,4.5) F16(0.5,4.5) F18(1.5,4.5) F20(2.5,4.5) F22(3.5,4.5) F24(4.5,4.5) F28(6.5,4.5) F29(7,4.5) G1(-7,4) G2(-6.5,4) G3(-6,4) G4(-5.5,4) G5(-5,4) G6(-4.5,4) G8(-3.5,4) G10(-2.5,4) G12(-1.5,4) G14(-0.5,4) G16(0.5,4) G18(1.5,4) G20(2.5,4) G22(3.5,4) G24(4.5,4) G25(5,4) G26(5.5,4) G27(6,4) G28(6.5,4) G29(7,4) H1(-7,3.5) H2(-6.5,3.5) H8(-3.5,3.5) H10(-2.5,3.5) H12(-1.5,3.5) H14(-0.5,3.5) H16(0.5,3.5) H18(1.5,3.5) H20(2.5,3.5) H22(3.5,3.5) H28(6.5,3.5) H29(7,3.5) J1(-7,3) J2(-6.5,3) J3(-6,3) J4(-5.5,3) J5(-5,3) J6(-4.5,3) J7(-4,3) J8(-3.5,3) J10(-2.5,3) J11(-2,3) J14(-0.5,3) J16(0.5,3) J19(2,3) J20(2.5,3) J22(3.5,3) J23(4,3) J24(4.5,3) J25(5,3) J26(5.5,3) J27(6,3) J28(6.5,3) J29(7,3) K1(-7,2.5) K2(-6.5,2.5) K10(-2.5,2.5) K11(-2,2.5) K14(-0.5,2.5) K15(0,2.5) K16(0.5,2.5) K19(2,2.5) K20(2.5,2.5) K28(6.5,2.5) K29(7,2.5) L1(-7,2) L2(-6.5,2) L3(-6,2) L4(-5.5,2) L5(-5,2) L6(-4.5,2) L7(-4,2) L8(-3.5,2) L9(-3,2) L10(-2.5,2) L11(-2,2) L12(-1.5,2) L13(-1,2) L14(-0.5,2) L16(0.5,2) L17(1,2) L18(1.5,2) L19(2,2) L20(2.5,2) L21(3,2) L22(3.5,2) L23(4,2) L24(4.5,2) L25(5,2) L26(5.5,2) L27(6,2) L28(6.5,2) L29(7,2) M1(-7,1.5) M2(-6.5,1.5) M11(-2,1.5) M14(-0.5,1.5) M16(0.5,1.5) M19(2,1.5) M28(6.5,1.5) M29(7,1.5) N1(-7,1) N2(-6.5,1) N3(-6,1) N4(-5.5,1) N5(-5,1) N6(-4.5,1) N7(-4,1) N8(-3.5,1) N9(-3,1) N10(-2.5,1) N11(-2,1) N12(-1.5,1) N13(-1,1) N14(-0.5,1) N15(0,1) N16(0.5,1) N17(1,1) N18(1.5,1) N19(2,1) N20(2.5,1) N21(3,1) N22(3.5,1) N23(4,1) N24(4.5,1) N25(5,1) N26(5.5,1) N27(6,1) N28(6.5,1) N29(7,1) P1(-7,0.5) P2(-6.5,0.5) P11(-2,0.5) P14(-0.5,0.5) P16(0.5,0.5) P19(2,0.5) P28(6.5,0.5) P29(7,0.5) R1(-7,0) R2(-6.5,0) R3(-6,0) R4(-5.5,0) R5(-5,0) R6(-4.5,0) R7(-4,0) R8(-3.5,0) R9(-3,0) R10(-2.5,0) R11(-2,0) R12(-1.5,0) R13(-1,0) R14(-0.5,0) R16(0.5,0) R17(1,0) R18(1.5,0) R19(2,0) R20(2.5,0) R21(3,0) R22(3.5,0) R23(4,0) R24(4.5,0) R25(5,0) R26(5.5,0) R27(6,0) R28(6.5,0) R29(7,0) T1(-7,-0.5) T2(-6.5,-0.5) T11(-2,-0.5) T14(-0.5,-0.5) T16(0.5,-0.5) T19(2,-0.5) T28(6.5,-0.5) T29(7,-0.5) U1(-7,-1) U2(-6.5,-1) U3(-6,-1) U4(-5.5,-1) U5(-5,-1) U6(-4.5,-1) U7(-4,-1) U8(-3.5,-1) U9(-3,-1) U10(-2.5,-1) U11(-2,-1) U12(-1.5,-1) U13(-1,-1) U14(-0.5,-1) U15(0,-1) U16(0.5,-1) U17(1,-1) U18(1.5,-1) U19(2,-1) U20(2.5,-1) U21(3,-1) U22(3.5,-1) U23(4,-1) U24(4.5,-1) U25(5,-1) U26(5.5,-1) U27(6,-1) U28(6.5,-1) U29(7,-1) V1(-7,-1.5) V2(-6.5,-1.5) V11(-2,-1.5) V14(-0.5,-1.5) V16(0.5,-1.5) V19(2,-1.5) V28(6.5,-1.5) V29(7,-1.5) W1(-7,-2) W2(-6.5,-2) W3(-6,-2) W4(-5.5,-2) W5(-5,-2) W6(-4.5,-2) W7(-4,-2) W8(-3.5,-2) W9(-3,-2) W10(-2.5,-2) W11(-2,-2) W12(-1.5,-2) W13(-1,-2) W14(-0.5,-2) W16(0.5,-2) W17(1,-2) W18(1.5,-2) W19(2,-2) W20(2.5,-2) W21(3,-2) W22(3.5,-2) W23(4,-2) W24(4.5,-2) W25(5,-2) W26(5.5,-2) W27(6,-2) W28(6.5,-2) W29(7,-2) Y1(-7,-2.5) Y2(-6.5,-2.5) Y10(-2.5,-2.5) Y11(-2,-2.5) Y14(-0.5,-2.5) Y15(0,-2.5) Y16(0.5,-2.5) Y19(2,-2.5) Y20(2.5,-2.5) Y28(6.5,-2.5) Y29(7,-2.5)